# Altium PCB Layout.PcbDoc (part 1 of 4) (continued)
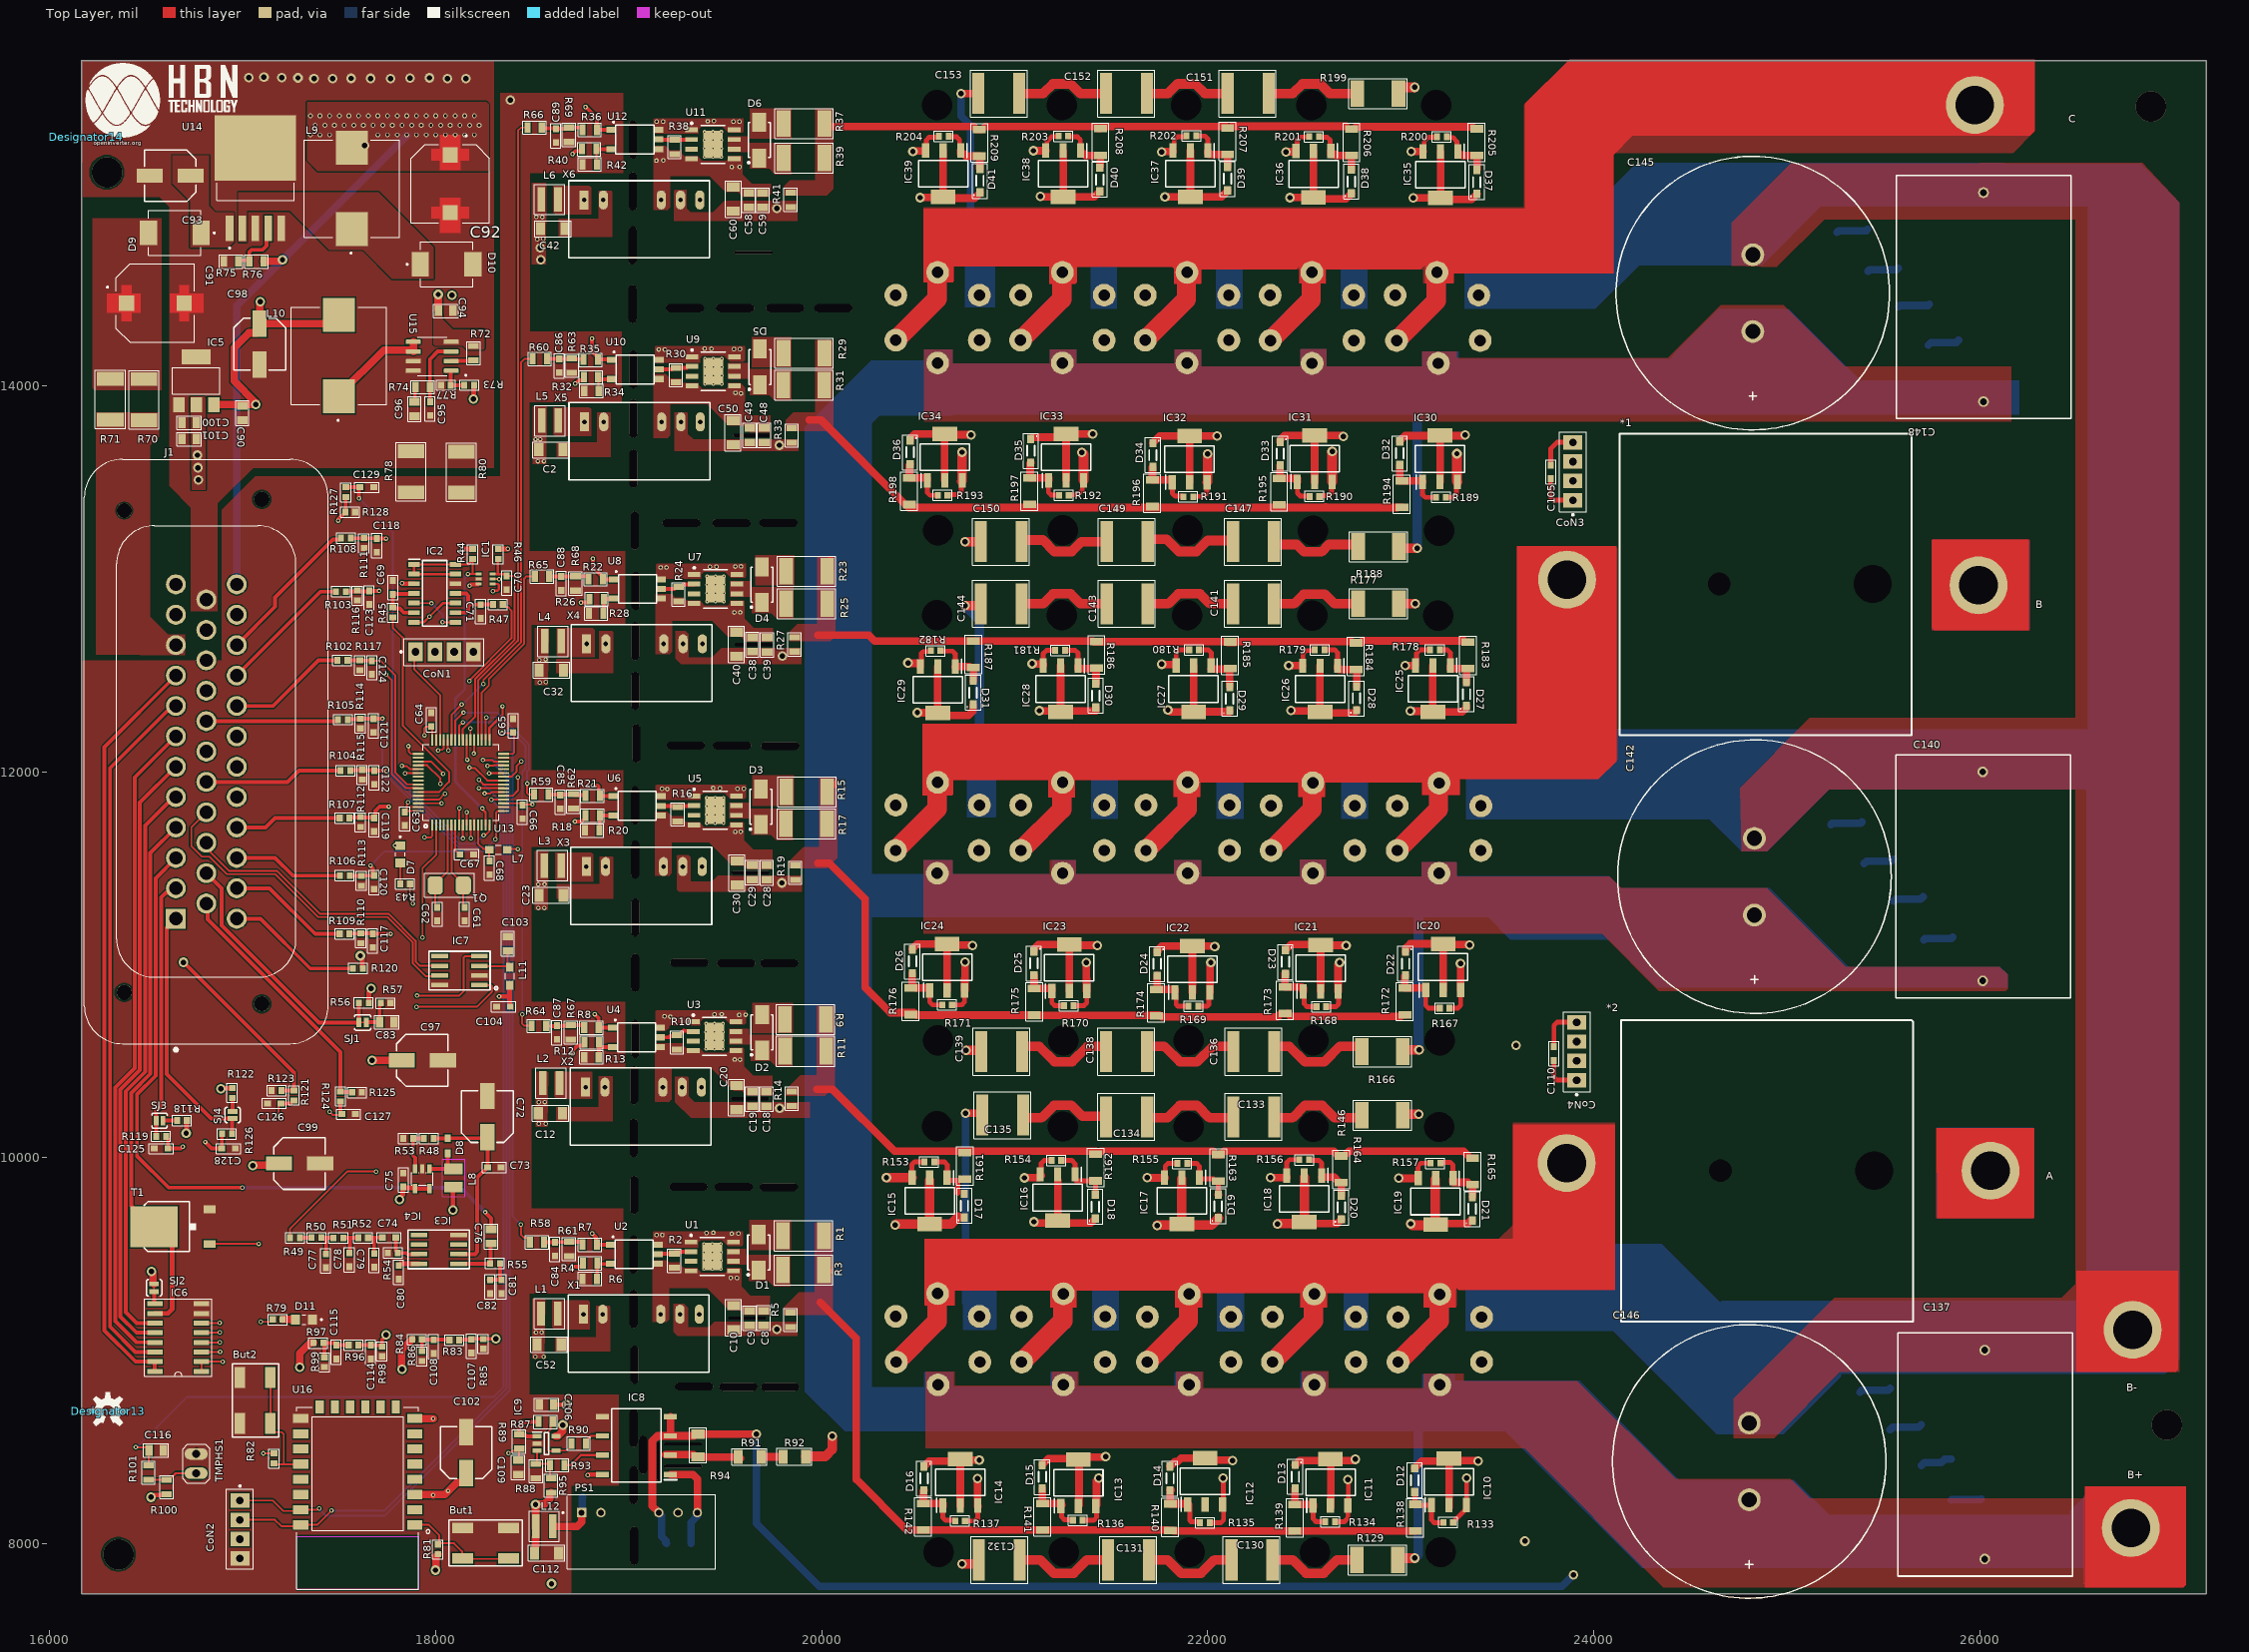
[diagram p0: Top Layer view]
## Components (designator, comment, footprint, x,y, rotation, side; value= is the part's Value field where it differs from the comment) (continued)
D27 "1n4148" SOD123 23342.28,12343.37 r90 top
D28 "1n4148" SOD123 22773.16,12321.98 r90 top
D29 "1n4148" SOD123 22115.56,12319.87 r90 top
D30 "1n4148" SOD123 21422.03,12336.22 r90 top
D31 "1n4148" SOD123 20786.3,12351.87 r90 top
D32 "1n4148" SOD123 22992,13710.07 r270 top
D33 "1n4148" SOD123 22372.73,13707.67 r270 top
D34 "1n4148" SOD123 21713.26,13700.36 r270 top
D35 "1n4148" SOD123 21080.84,13722.77 r270 top
D36 "1n4148" SOD123 20455.94,13713.95 r270 top
D37 "1n4148" SOD123 23396.19,14997.91 r90 top
D38 "1n4148" SOD123 22745.39,14999.3 r90 top
D39 "1n4148" SOD123 22104.51,15014.27 r90 top
D40 "1n4148" SOD123 21442.82,15009.86 r90 top
D41 "1n4148" SOD123 20821.23,15003.94 r90 top
Designator13 "Comment" OSHW-LOGO-M 16300.84,8688.61 r0 top
Designator14 "Comment" OI_LOGO 16187.01,15288.39 r0 top
IC1 "NC7SZ10P6X" SC70-6 18258.35,12999.58 r270 top
IC2 "LM2901AVQDRQ1" SOIC127P600X175-14N 17994.45,12924.85 r0 top
IC3 "TDA2822D" SO08 18015.76,9525.99 r90 top
IC4 "MIC2288YD5" SOT23-5L 17930.26,9891.99 r180 top
IC5 "REG1117" SOT223 16759.09,14026.08 r0 top
IC6 "ULN2003AD" SO16 16665.35,9068.9 r90 top
IC7 "SN65HVD230DR" SO08 18123.22,10969.96 r90 top
IC8 "SI8920BC-IP" SOP254P965X419-8N 19039.37,8509.34 r180 top
IC9 "OPA344NA_250G4" SOT95P280X145-5N 18574,8520.17 r0 top
IC10 "IRFL9110PBF" SOT230P700X180-4N 23249.8,8321.96 r90 top
IC11 "IRFL9110PBF" SOT230P700X180-4N 22635.24,8319.38 r90 top
IC12 "IRFL9110PBF" SOT230P700X180-4N 21985.75,8324.49 r90 top
IC13 "IRFL9110PBF" SOT230P700X180-4N 21329.2,8316.99 r90 top
IC14 "IRFL9110PBF" SOT230P700X180-4N 20717.52,8319.63 r90 top
IC15 "IRFL9110PBF" SOT230P700X180-4N 20559.06,9777.48 r270 top
IC16 "IRFL9110PBF" SOT230P700X180-4N 21221.54,9794.39 r270 top
IC17 "IRFL9110PBF" SOT230P700X180-4N 21866.31,9778.19 r270 top
IC18 "IRFL9110PBF" SOT230P700X180-4N 22499.76,9788.32 r270 top
IC19 "IRFL9110PBF" SOT230P700X180-4N 23180.16,9773.79 r270 top
IC20 "IRFL9110PBF" SOT230P700X180-4N 23219.29,10988.85 r90 top
IC21 "IRFL9110PBF" SOT230P700X180-4N 22584.77,10983.18 r90 top
IC22 "IRFL9110PBF" SOT230P700X180-4N 21920.33,10978.07 r90 top
IC23 "IRFL9110PBF" SOT230P700X180-4N 21282.43,10984.68 r90 top
IC24 "IRFL9110PBF" SOT230P700X180-4N 20649.37,10987.8 r90 top
IC25 "IRFL9110PBF" SOT230P700X180-4N 23166.19,12430.96 r270 top
IC26 "IRFL9110PBF" SOT230P700X180-4N 22581.48,12429.49 r270 top
IC27 "IRFL9110PBF" SOT230P700X180-4N 21926.21,12429.54 r270 top
IC28 "IRFL9110PBF" SOT230P700X180-4N 21237.56,12429.54 r270 top
IC29 "IRFL9110PBF" SOT230P700X180-4N 20600.73,12426.09 r270 top
IC30 "IRFL9110PBF" SOT230P700X180-4N 23203.15,13621.67 r90 top
IC31 "IRFL9110PBF" SOT230P700X180-4N 22553.8,13622.72 r90 top
IC32 "IRFL9110PBF" SOT230P700X180-4N 21905.59,13620.64 r90 top
IC33 "IRFL9110PBF" SOT230P700X180-4N 21265.69,13629.76 r90 top
IC34 "IRFL9110PBF" SOT230P700X180-4N 20636.81,13629.76 r90 top
IC35 "IRFL9110PBF" SOT230P700X180-4N 23205.71,15094.49 r270 top
IC36 "IRFL9110PBF" SOT230P700X180-4N 22547.56,15097.73 r270 top
IC37 "IRFL9110PBF" SOT230P700X180-4N 21909.59,15098.43 r270 top
IC38 "IRFL9110PBF" SOT230P700X180-4N 21250.68,15098.43 r270 top
IC39 "IRFL9110PBF" SOT230P700X180-4N 20628.94,15098.43 r270 top
J1 "Conn Power HDR 35 POS" TE_776230-2 16811.02,12105.32 r90 top
L1 "47uH" WE-TPC_282892 18588.58,9193.15 r90 top
L2 "47uH" WE-TPC_282892 18597.82,10387.78 r90 top
L3 "47uH" WE-TPC_282892 18605.99,11514.7 r90 top
L4 "47uH" WE-TPC_282892 18607.51,12676.91 r90 top
L5 "47uH" WE-TPC_282892 18592.05,13820.19 r90 top
L6 "47uH" WE-TPC_282892 18589.91,14966.23 r90 top
L7 "10UH" INDC2012X87N 18324.46,11596.87 r180 top
L8 "*" L2825P 18092.14,9895.57 r90 top value=10µH
L9 "220uH" IND_MDH12577C-101MA=P3 17564.96,15022.64 r90 top
L10 "220uH" IND_MDH12577C-101MA=P3 17497.95,14156.47 r90 top
L11 "10uH" INDC2012X87N 18382.86,10941.22 r90 top
L12 "47uH" WE-TPC_282892 18562.16,8090.99 r90 top
PS1 "R12P21503D" CONV_R12P21503D 19064.37,8063.36 r0 top
Q1 "Crystal 8MHz" 5032-2P 18142.93,11411.96 r180 top
Q2 "Sic Mosfet" 247 22985.57,8941.93 r0 bottom
Q3 "Sic Mosfet" 247 22334.73,8941.93 r0 bottom
Q4 "Sic Mosfet" 247 21686.68,8941.93 r0 bottom
Q5 "Sic Mosfet" 247 21035.22,8941.93 r0 bottom
Q6 "Sic Mosfet" 247 20385.87,8941.93 r0 bottom
Q7 "Sic Mosfet" 247 20816.69,9178.87 r180 bottom
Q8 "Sic Mosfet" 247 21468.29,9177.57 r180 bottom
Q9 "Sic Mosfet" 247 22119.75,9176.27 r180 bottom
Q10 "Sic Mosfet" 247 22767.8,9176.27 r180 bottom
Q11 "Sic Mosfet" 247 23418.64,9174.97 r180 bottom
Q12 "Sic Mosfet" 247 22981.56,11592.85 r0 bottom
Q13 "Sic Mosfet" 247 22327.8,11592.85 r0 bottom
Q14 "Sic Mosfet" 247 21679.75,11592.85 r0 bottom
Q15 "Sic Mosfet" 247 21031.21,11592.85 r0 bottom
Q16 "Sic Mosfet" 247 20381.85,11592.85 r0 bottom
Q17 "Sic Mosfet" 247 23414.63,11823.76 r180 bottom
Q18 "Sic Mosfet" 247 22760.87,11825.06 r180 bottom
Q19 "Sic Mosfet" 247 22112.82,11827.68 r180 bottom
Q20 "Sic Mosfet" 247 21464.28,11827.68 r180 bottom
Q21 "Sic Mosfet" 247 20816.69,11827.68 r180 bottom
Q22 "Sic Mosfet" 247 22978.02,14234.76 r0 bottom
Q23 "Sic Mosfet" 247 22323.79,14234.76 r0 bottom
Q24 "Sic Mosfet" 247 21675.73,14236.72 r0 bottom
Q25 "Sic Mosfet" 247 21030,14236.72 r0 bottom
Q26 "Sic Mosfet" 247 20383.6,14236.72 r0 bottom
Q27 "Sic Mosfet" 247 23403.67,14470 r180 bottom locked
Q28 "Sic Mosfet" 247 22755.89,14470 r180 bottom locked
Q29 "Sic Mosfet" 247 22108.8,14470 r180 bottom locked
Q30 "Sic Mosfet" 247 21463.27,14470 r180 bottom locked
Q31 "Sic Mosfet" 247 20816.67,14470 r180 bottom locked
R1 "10 1w" R-2512 19905.32,9596.46 r0 top
R2 "47k" R-0805 19235.44,9467.32 r90 top
R3 "10 1w" R-2512 19905.32,9419.68 r0 top
R4 "0" R-0805 18799.97,9453.71 r0 top
R5 "47k" R-0805 19838.62,9160.72 r90 top
R6 "0" R-0805 18798.3,9373.5 r0 top
R7 "0" R-0805 18798.3,9550.55 r0 top
R8 "0" R-0805 18806.49,10674.37 r0 top
R9 "10 1w" R-2512 19915.18,10717.64 r0 top
R10 "47k" R-0805 19250.09,10598.77 r90 top
R11 "10 1w" R-2512 19916.52,10553.14 r0 top
R12 "0" R-0805 18807.54,10598.77 r0 top
R13 "0" R-0805 18806.49,10521.64 r0 top
R14 "47k" R-0805 19844.94,10307.11 r90 top
R15 "10 1w" R-2512 19922.16,11896.37 r0 top
R16 "47k" R-0805 19253.53,11780.23 r90 top
R17 "10 1w" R-2512 19920.81,11730.6 r0 top
R18 "0" R-0805 18812.05,11773.68 r0 top
R19 "47k" R-0805 19862.55,11478.21 r90 top
R20 "0" R-0805 18810.98,11696.85 r0 top
R21 "0" R-0805 18812.05,11875.92 r0 top
R22 "0" R-0805 18828.07,12997.84 r0 top
R23 "10 1w" R-2512 19921.48,13038.99 r0 top
R24 "47k" R-0805 19258.19,12919.85 r90 top
R25 "10 1w" R-2512 19921.48,12870.91 r0 top
R26 "0" R-0805 18833.28,12895.25 r0 top
R27 "47k" R-0805 19859.02,12660.43 r90 top
R28 "0" R-0805 18831,12820.69 r0 top
R29 "10 1w" R-2512 19908.18,14168.8 r0 top
R30 "47k" R-0805 19244.67,14055.62 r90 top
R31 "10 1w" R-2512 19906.64,14003.83 r0 top
R32 "0" R-0805 18804.28,14045.94 r0 top
R33 "47k" R-0805 19844.63,13743.38 r90 top
R34 "0" R-0805 18806.56,13973.93 r0 top
R35 "0" R-0805 18803,14135.3 r0 top
R36 "0" R-0805 18797.24,15326.73 r0 top
R37 "10 1w" R-2512 19908.24,15359.6 r0 top
R38 "47k" R-0805 19236.73,15237.17 r90 top
R39 "10 1w" R-2512 19908.23,15181.58 r0 top
R40 "0" R-0805 18795.38,15226.73 r0 top
R41 "47k" R-0805 19838.98,14964.46 r90 top
R42 "0" R-0805 18797.24,15147.77 r0 top
R43 "510 R" R-0603R 17840.9,11419.83 r0 top
R44 "10KΩ" R-0603R 18190.84,13128.59 r90 top
R45 "10KΩ" R-0603R 17777.29,12826.14 r90 top
R46 "10KΩ" R-0603R 18324.34,13128.59 r90 top
R47 "10KΩ" R-0603R 18322.08,12867.87 r180 top
R48 "3K3Ω" R-0603R 17963.92,10100.62 r0 top
R49 "510Ω" R-0603R 17270.6,9586.5 r180 top
R50 "10KΩ" R-0603R 17382.12,9587.32 r180 top
R51 "3K3Ω" R-0603R 17495.48,9585.06 r0 top
R52 "3K3Ω" R-0603R 17623.67,9586.5 r0 top
R53 "510Ω" R-0603R 17857.3,10101.14 r180 top
R54 "10KΩ" R-0603R 17777.88,9507.09 r0 top
R55 "10Ω" R-0603R 18307.12,9452.8 r0 top
R56 "R-0603" R-0603R 17626.58,10802.68 r0 top
R57 "R-0603" R-0603R 17740.28,10802.69 r180 top
R58 "1KΩ" R-0805 18524.41,9562.8 r0 top
R59 "1KΩ" R-0805 18546.94,11883.06 r0 top
R60 "1KΩ" R-0805 18539.33,14139.77 r0 top
R61 "10KΩ" R-0805 18690.62,9527.36 r90 top
R62 "10KΩ" R-0805 18713.75,11846.55 r90 top
R63 "10KΩ" R-0805 18705.02,14104.98 r90 top
R64 "1KΩ" R-0805 18533.65,10684.01 r0 top
R65 "1KΩ" R-0805 18550.43,13012.8 r0 top
R66 "1KΩ" R-0805 18511.97,15338.48 r0 top
R67 "10KΩ" R-0805 18699.86,10649.77 r90 top
R68 "10KΩ" R-0805 18723.88,12976.29 r90 top
R69 "10KΩ" R-0805 18690.36,15301.05 r90 top
R70 "10 1w" R-2512 16487.3,13928.17 r270 top
R71 "10 1w" R-2512 16313.76,13930.37 r270 top
R72 "100KΩ" R-0805 18195.7,14170.01 r90 top
R73 "6.8KΩ" R-0603R 18173.72,14003.72 r0 top
R74 "10KΩ" R-0805 17932.39,13994.02 r0 top
R75 "RES SMD 1K OHM 1% 1/8W 0805" R-0805 16939.46,14644.7 r0 top
R76 "11KΩ" R-0805 17071.3,14644.7 r0 top
R77 "1.3KΩ" R-0603R 18052.26,14003.72 r0 top
R78 "0Ω" R-2512 17871.24,13555.18 r90 top
R79 "510Ω" R-0603R 17180.96,9162.88 r180 top
R80 "0Ω" R-2512 18133.7,13552.99 r90 top
R81 "10KΩ" R-0603R 18011.53,7971.24 r90 top
R82 "10KΩ" R-0603R 17161.89,8442.64 r270 top
R83 "3K3Ω" R-0603R 18096.23,9055.92 r180 top
R84 "1K2Ω" R-0603R 17903.06,9059.82 r180 top
R85 "4K7Ω" R-0603R 18246.66,9036.42 r90 top
R86 "3K3Ω" R-0603R 17928.65,8972.48 r90 top
R87 "10KΩ" R-0805 18568.9,8632.25 r180 top
R88 "1K2Ω" R-0805 18518.88,8377.14 r270 top
R89 "10KΩ" R-0805 18432.28,8531 r270 top
R90 "10KΩ" R-0805 18739.93,8520.17 r0 top
R91 "680KΩ" R-1206 19625.94,8450.29 r0 top
R92 "680KΩ" R-1206 19858.21,8451.27 r0 top
R93 "10KΩ" R-0805 18629.12,8408.1 r0 top
R94 "500Ω" R-1206 19359.16,8509.34 r270 top
R95 "10KΩ" R-0805 18597.55,8301.77 r90 top
R96 "3K3Ω" R-0603R 17574.06,9029.96 r180 top
R97 "1K2Ω" R-0603R 17391.75,9041.3 r180 top
R98 "4K7Ω" R-0603R 17721.66,8997.44 r90 top
R99 "3K3Ω" R-0603R 17423.86,8940.99 r90 top
R100 "1K2Ω" R-0805 16605.26,8293.63 r90 top
R101 "10KΩ" R-0805 16511.47,8369.83 r90 top
R102 "3K3Ω" R-0603R 17515.88,12577.76 r0 top
R103 "3K3Ω" R-0603R 17509.12,12933.77 r0 top
R104 "3K3Ω" R-0603R 17531.82,12006.21 r0 top
R105 "4K7Ω" R-0603R 17519.01,12271.11 r0 top
R106 "3K3Ω" R-0603R 17528.98,11462.24 r0 top
R107 "3K3Ω" R-0603R 17527.39,11761.13 r0 top
R108 "3K3Ω" R-0603R 17534.71,13211.09 r0 top
R109 "3K3Ω" R-0603R 17527.39,11160.32 r0 top
R110 "1K2Ω" R-0603R 17612.48,11138.36 r90 top
R111 "1K2Ω" R-0603R 17628.45,13185.5 r90 top
R112 "1K2Ω" R-0603R 17610.58,11739.47 r90 top
R113 "1K2Ω" R-0603R 17615.26,11435.66 r90 top
R114 "1K2Ω" R-0603R 17608.74,12250.44 r90 top
R115 "1K2Ω" R-0603R 17618.76,11984.56 r90 top
R116 "1K2Ω" R-0603R 17594,12913.86 r90 top
R117 "1K2Ω" R-0603R 17606.56,12552.17 r90 top
R118 "510Ω" R-0603R 16685.17,10192.95 r0 top
R119 "10KΩ" R-0603R 16576.71,10111.76 r0 top
R120 "510Ω" R-0603R 17596.46,10981.3 r0 top
R121 "10KΩ" R-0603R 17264.78,10323.54 r270 top
R122 "510Ω" R-0603R 16945.87,10336.62 r90 top
R123 "10KΩ" R-0603R 17175.05,10349.13 r0 top
R124 "10KΩ" R-0603R 17506.54,10318.08 r270 top
R125 "10KR" R-0603R 17592.17,10339.64 r180 top
R126 "10KΩ" R-0603R 16918.31,10125.08 r180 top
R127 "10KΩ" R-0603R 17534.71,13448.88 r90 top
R128 "10KΩ" R-0603R 17556.62,13346.78 r180 top
R129 "10 1w" R-2512 22878.94,7916.82 r0 top
R130 "100k 1w" R-2512 26006.89,8125.98 r90 bottom
R131 "100k 1w" R-2512 25859.25,11037.4 r90 bottom
R132 "100k 1w" R-2512 25879.92,14122.05 r90 bottom
R133 "R-0603" R-0603R 23245.41,8110.47 r0 top
R134 "R-0603" R-0603R 22634.42,8114.55 r0 top
R135 "R-0603" R-0603R 21984.91,8109.22 r0 top
R136 "R-0603" R-0603R 21326.43,8122.14 r0 top
R137 "R-0603" R-0603R 20716.76,8118.13 r0 top
R138 "11Ω" R-1206W 23075.79,8136.28 r90 top
R139 "11Ω" R-1206W 22450.84,8135.86 r90 top
R140 "11Ω" R-1206W 21805.65,8138.96 r90 top
R141 "11Ω" R-1206W 21143.63,8139.92 r90 top
R142 "11Ω" R-1206W 20526.28,8140.14 r90 top
R143 "100k 1w" R-2512 25852.82,8333.66 r90 bottom
R144 "100k 1w" R-2512 25705.71,11246.06 r90 bottom
R145 "100k 1w" R-2512 25733.27,14316.93 r90 bottom
R146 "10 1w" R-2512 22903.72,10220.73 r0 top
R147 "100k 1w" R-2512 25695.87,8511.81 r90 bottom
R148 "100k 1w" R-2512 25552.17,11440.94 r90 bottom
R149 "100k 1w" R-2512 25580.71,14516.73 r90 bottom
R150 "100k 1w" R-2512 25535.43,8698.82 r90 bottom
R151 "100k 1w" R-2512 25391.73,11632.87 r90 bottom
R152 "100k 1w" R-2512 25421.26,14700.79 r90 bottom
R153 "R-0603" R-0603R 20557.09,9979.33 r180 top
R154 "R-0603" R-0603R 21215.51,9987.2 r180 top
R155 "R-0603" R-0603R 21867.6,9971.91 r180 top
R156 "R-0603" R-0603R 22500,9990.33 r180 top
R157 "R-0603" R-0603R 23178.83,9972.61 r180 top
R158 "100k 1w" R-2512 25377.95,8892.72 r90 bottom
R159 "100k 1w" R-2512 25230.31,11850.39 r90 bottom
R160 "100k 1w" R-2512 25259.84,14902.56 r90 bottom
R161 "11Ω" R-1206W 20740.86,9958.55 r270 top
R162 "11Ω" R-1206W 21418.27,9949.8 r270 top
R163 "11Ω" R-1206W 22055.56,9949.25 r270 top
R164 "11Ω" R-1206W 22691.38,9941.08 r270 top
R165 "11Ω" R-1206W 23372.2,9930.37 r270 top
R166 "10 1w" R-2512 22903.72,10550.43 r0 top
R167 "R-0603" R-0603R 23226.8,10774.8 r0 top
R168 "R-0603" R-0603R 22588.07,10782.52 r0 top
R169 "R-0603" R-0603R 21925.49,10786 r0 top
R170 "R-0603" R-0603R 21279.74,10788.94 r0 top
R171 "R-0603" R-0603R 20649.54,10792.42 r0 top
R172 "11Ω" R-1206W 23021.28,10810.41 r90 top
R173 "11Ω" R-1206W 22400.15,10816.58 r90 top
R174 "11Ω" R-1206W 21733.16,10803.9 r90 top
R175 "11Ω" R-1206W 21101.11,10808.53 r90 top
R176 "11Ω" R-1206W 20461.54,10810.96 r90 top
R177 "10 1w" R-2512 22884.63,12870.91 r0 top
R178 "R-0603" R-0603R 23176.86,12632.63 r180 top
R179 "R-0603" R-0603R 22579.81,12632.51 r180 top
R180 "R-0603" R-0603R 21928.98,12631.63 r180 top
R181 "R-0603" R-0603R 21235.48,12629.07 r180 top
R182 "R-0603" R-0603R 20589.66,12628.13 r180 top
R183 "11Ω" R-1206W 23348.45,12603.92 r270 top
R184 "11Ω" R-1206W 22767.24,12599.77 r270 top
R185 "11Ω" R-1206W 22115.48,12604.84 r270 top
R186 "11Ω" R-1206W 21423.08,12606.76 r270 top
R187 "11Ω" R-1206W 20785.43,12609.63 r270 top
R188 "10 1w" R-2512 22884.63,13167.27 r0 top
R189 "R-0603" R-0603R 23208.36,13421.93 r0 top
R190 "R-0603" R-0603R 22552.7,13427.06 r0 top
R191 "R-0603" R-0603R 21898.62,13424.74 r0 top
R192 "R-0603" R-0603R 21254.61,13432.88 r0 top
R193 "R-0603" R-0603R 20625.85,13432.35 r0 top
R194 "11Ω" R-1206W 23006.45,13438.87 r90 top
R195 "11Ω" R-1206W 22370.51,13452.07 r90 top
R196 "11Ω" R-1206W 21713.14,13443.38 r90 top
R197 "11Ω" R-1206W 21076.22,13454.07 r90 top
R198 "11Ω" R-1206W 20453.75,13453.59 r90 top
R199 "10 1w" R-2512 22881.77,15514.76 r0 top
R200 "R-0603" R-0603R 23212.32,15290.61 r180 top
R201 "R-0603" R-0603R 22550.52,15291.61 r180 top
R202 "R-0603" R-0603R 21915.65,15295.96 r180 top
R203 "R-0603" R-0603R 21251.61,15294.15 r180 top
R204 "R-0603" R-0603R 20631.7,15293.79 r180 top
R205 "11Ω" R-1206W 23393.29,15263.2 r270 top
R206 "11Ω" R-1206W 22744.4,15261.81 r270 top
R207 "11Ω" R-1206W 22102.5,15267.72 r270 top
R208 "11Ω" R-1206W 21443.76,15263.51 r270 top
R209 "11Ω" R-1206W 20816.67,15258.79 r270 top
SJ1 "SOLDERJUMPERTRACE" SJ_2S-TRACE 17620.99,10701.21 r180 top
SJ2 "SOLDERJUMPERTRACE" SJ_2S-TRACE 16540.35,9326.66 r90 top
SJ3 "SOLDERJUMPERNO" SJ_2S-NO 16568.84,10192.95 r0 top
SJ4 "SOLDERJUMPERNO" SJ_2S-NO 16947.07,10221.73 r90 top
T1 "AP9T18GH-HF" D-PAK_TO252AA 16638.78,9643.7 r90 top
TMPHS1 "PINHD-1X2" 1X02 16758.78,8415.74 r90 top
U1 "IXDN614" "FAN3122 Soic8" 19433.07,9488.98 r0 top
U2 "TLP152" TLP152 19028.54,9490.55 r0 top
U3 "IXDN614" "FAN3122 Soic8" 19444.28,10629.91 r0 top
U4 "TLP152" TLP152 19039.75,10614.16 r0 top
U5 "IXDN614" "FAN3122 Soic8" 19447.72,11799.91 r0 top
U6 "TLP152" TLP152 19043.19,11813.68 r0 top
U7 "IXDN614" "FAN3122 Soic8" 19449.23,12947.84 r0 top
U8 "TLP152" TLP152 19044.71,12937.84 r0 top
U9 "IXDN614" "FAN3122 Soic8" 19438.13,14075.3 r0 top
U10 "TLP152" TLP152 19033.61,14075.3 r0 top
U11 "IXDN614" "FAN3122 Soic8" 19436,15251.34 r0 top
U12 "TLP152" TLP152 19031.47,15266.73 r0 top
U13 "STM32F103RBT6" QFP50P1200X1200X160-64N 18130.38,11944.94 r90 top
U14 "LM2576S-12/NOPB" VREG_TPS79625KTTR 17065.35,15233.27 r90 top
U15 "SR2803" SOP127P600X175-8N 17981.4,14153.04 r180 top
U16 "ESP8266-12E/ESP-12E" XCVR_ESP8266-12E/ESP-12E 17595.71,8373.65 r180 top
X1 "R24P21503D" SIP7 18765.16,9189.96 r90 top
X2 "R24P21503D" SIP7 18776.37,10366.13 r90 top
X3 "R24P21503D" SIP7 18779.8,11508.8 r90 top
X4 "R24P21503D" SIP7 18781.32,12663.23 r90 top
X5 "R24P21503D" SIP7 18770.22,13813.12 r90 top
X6 "R24P21503D" SIP7 18768.07,14963.05 r90 top

## Footprints (in the part's own frame and the unit in brackets; to place one, negate y for a bottom-side part, rotate by r counter-clockwise, add the part's x,y. Pads: shape width x height; smd on the part's side, far side on the other; paste and mask are expansions set on the pad)
1X02 [mil] "1X02"
  oval 60x120 / inner round 0 / far side oval 60x120 hole 40: 1(-50,0) 2(50,0)
  silkscreen extent -100,-71 100,70, body extent -80,-60 80,60, height 150
4pinCon [mm]
  rect 2.5x1.9 hole 1: 1(0,-3.81) 2(0,-1.27) 3(0,1.27) 4(0,3.81)
  silkscreen extent -1.75,-5.83 1.78,5.21, body extent -1.18,-4.95 1.4,5.21, height 4.94
247 [mm]
  round 3 hole 1.5: 1(11,0) 2(5.5,3) 3(0,0)
  round 1.524 hole 4: 4(5.588,25.019)
  silkscreen extent -2.54,-1.78 13.46,30.35, body extent -2.29,-0.31 13.31,30.29, height 5.01
5032-2P [mm]
  rrect50% 2x2.4 smd: 1(0,0) 2(3.7,0)
  silkscreen extent -1.43,-1.6 5.12,1.58, body extent -0.7,-1.57 4.3,1.62, height 1.3
ButTON [mm]
  rect 2.75x1.4 smd: 1(0,0) 1(6.05,0) 2(0,4) 2(6.05,4)
  silkscreen extent -1.78,-1.02 7.87,5.08, body extent -1.46,-0.98 7.56,5.05, height 9
C-0603W [mm] "capacitor 0603 wave soldering"
  rect 0.9x0.8 smd: 1(-0.9,0) 2(0.9,0)
  silkscreen extent -1.6,-0.65 1.6,0.67, body extent -0.8,-0.4 0.8,0.4, height 0.3
C-0805 [mm]
  rect 1x1.4 smd: 1(-0.95,0) 2(0.95,0)
  silkscreen extent -1.63,-0.87 1.63,0.87, body extent -1,-0.62 1,0.63, height 1.01
C-1206 [mm]
  rect 1.2x1.7 smd: 1(-1.6,0) 2(1.6,0)
  silkscreen extent -2.4,-1.05 2.37,1.05, body extent -1.6,-0.8 1.6,0.8, height 1
C-2220R [mm] "capacitor 2220 reflow soldering"
  rect 1.6x5.4 smd: 1(-2.7,0) 2(2.7,0)
  silkscreen extent -3.8,-3.1 3.7,3.1, body extent -2.85,-2.5 2.85,2.5, height 2.24
"CAP.POL 22UF 500VDC - duplicate" [mm]
  round 1.4 hole 0.9: 1(0,0) 2(27.5,0)
  silkscreen extent -2.25,-11.56 29.75,11.43, body extent -1.22,-6.45 28.77,6.55, height 23.01
CAP_EEETC1C331V#1 [mm]
  rect 2x2 smd paste-2 mask+0: 1(-3.8,0) 2(3.8,0)
  Top Layer region: 4.45,1.25 6.35,1.25 6.35,-1.25 4.45,-1.25 4.45,-2.35 3.15,-2.35 3.15,-1.25 1.95,-1.25 1.95,1.25 3.15,1.25 3.15,2.35 4.45,2.35
  Top Layer region: -3.15,1.25 -1.95,1.25 -1.95,-1.25 -3.15,-1.25 -3.15,-2.35 -4.45,-2.35 -4.45,-1.25 -6.35,-1.25 -6.35,1.25 -4.45,1.25 -4.45,2.35 -3.15,2.35
  silkscreen extent -6.4,-5.15 5.15,5.15, body extent -5.85,-5.15 5.85,5.15, height 10.52
CAP_EEETC1C331V#2 [mm]
  rect 2x2 smd mask+0.508: 1(-3.8,0)
  rect 2x2 smd paste-2 mask+0.635: 2(3.8,0)
  Top Layer region: 4.55,1.35 6.45,1.35 6.45,-1.35 4.55,-1.35 4.55,-2.45 3.05,-2.45 3.05,-1.35 1.85,-1.35 1.85,1.35 3.05,1.35 3.05,2.45 4.55,2.45
  Top Layer region: -3.05,1.35 -1.85,1.35 -1.85,-1.35 -3.05,-1.35 -3.05,-2.45 -4.55,-2.45 -4.55,-1.35 -6.45,-1.35 -6.45,1.35 -4.55,1.35 -4.55,2.45 -3.05,2.45
  Top Layer region: -3.15,1.25 -1.95,1.25 -1.95,-1.25 -3.15,-1.25 -3.15,-2.35 -4.45,-2.35 -4.45,-1.25 -6.35,-1.25 -6.35,1.25 -4.45,1.25 -4.45,2.35 -3.15,2.35
  Top Layer region: 4.45,1.25 6.35,1.25 6.35,-1.25 4.45,-1.25 4.45,-2.35 3.15,-2.35 3.15,-1.25 1.95,-1.25 1.95,1.25 3.15,1.25 3.15,2.35 4.45,2.35
  silkscreen extent -6.4,-5.15 5.15,5.15, body extent -5.85,-5.15 5.85,5.15, height 10.52
CapSmdElc [mm] "Aluminum Electrolytic Capacitor, Body 6.70x6.70x6.30mm, IPC Low Density"
  rect 3.45x1.85 smd: 1(-2.7,0) 2(2.7,0)
  silkscreen extent -3.4,-3.4 3.4,3.4, body extent -3.45,-3.27 3.55,3.32, height 6.92
CONV_R12P21503D [mm]
  rect 1.23x1.23 hole 0.82: 1(-7.85,2.5)
  round 1.23 hole 0.82: 2(-5.31,2.5) 5(2.31,2.5) 6(4.85,2.5) 7(7.39,2.5)
  silkscreen extent -10.4,-4.9 9.75,4.9, body extent -9.75,-4.9 9.75,4.9, height 12
currenttransducer [mm]
  round 1.524 hole 3: 5(7.225,12.575)
  round 1.524 hole 5: 6(27.425,12.575)
  silkscreen extent -5.87,-7.32 32.55,32.35, body extent -5.87,-7.33 32.43,32.67, height 30.01
D-PAK_TO252AA [mm] "D-PAK_TO252AA"
  rect 1x1.6 smd: 1(-2.28,-4.8) 3(2.28,-4.8)
  rect 5.4x6.2 smd: 4(0,2.5)
  silkscreen extent -3.28,-3.02 3.28,3.82, body extent -3.35,-4.82 3.15,3.88, height 2.3
DIOM7959X265N [mm]
  rect 2.25x3.18 smd: A(3.455,0) C(-3.455,0)
  silkscreen extent -5.3,-2.95 3.44,2.95, body extent -4.1,-2.95 3.84,2.95, height 2.62
DO-214AC [mm]
  rect 2.5x1.8 smd: a(2.35,0) k(-2.35,0)
  silkscreen extent -3.07,-1.45 2.3,1.51, body extent -2.77,-1.42 2.72,1.37, height 2.3
"FAN3122 Soic8" [mm] "SOIC, 8-Leads, Body 4.95x3.95mm, Pitch 1.27mm, Thermal Pad 4.10x3.10mm, IPC Medium Density"
  rect 1.65x0.65 smd: 1(-2.8,1.905) 2(-2.8,0.635) 3(-2.8,-0.635) 4(-2.8,-1.905) 5(2.8,-1.905) 6(2.8,-0.635) 7(2.8,0.635) 8(2.8,1.905)
  rect 2.6x3.6 smd: 9(0,0)
  silkscreen extent -2.92,-2.5 1.6,2.9, body extent -3.12,-2.55 3.08,2.45, height 1.66
IND_MDH12577C-101MA=P3 [mm]
  rect 4.5x4.2 smd: 1(-5.35,0) 2(5.35,0)
  silkscreen extent -8.6,-6.25 6.4,6.25, body extent -6.36,-6.28 6.44,6.22, height 8
INDC2012X87N [mm]
  rect 1.15x1 smd: 1(-1.175,0) 2(1.175,0)
  silkscreen extent -0.4,-0.6 0.4,0.6, body extent -1,-0.62 1,0.63, height 1.03
"Koshin 63v 4700 cap" [mm]
  round 3 hole 2: 1(0,0) 2(10.1,0)
  silkscreen extent -12.95,-18 23.05,18, body extent -12.57,-17.42 22.42,17.57, height 50
L2825P [mil] "L2825P"
  rect 55.12x94.49 smd: 1(-47.24,0) 2(47.24,0)
  Top Layer keep-out lines w2: -97.36,58.39 97.36,58.39 97.36,-58.39 -97.36,-58.39 -97.36,58.39
LED_7012X1 [mm]
  rect 1.15x1.3 smd: A(1.125,0) C(-1.125,0)
  silkscreen extent -2.4,-0.63 0.23,0.63, body extent -1,-0.62 1,0.62, height 0.73
OI_LOGO [mil] "OI_LOGO"
  silkscreen extent -1,-1 383,383
OSHW-LOGO-M [mil] "OSHW-LOGO-M"
  silkscreen extent -98,-78 98,98
QFP50P1200X1200X160-64N [mil]
  rect 58x11 smd: 1(-221,148) 2(-221,128) 3(-221,108) 4(-221,89) 5(-221,69) 6(-221,49) 7(-221,30) 8(-221,10) 9(-221,-10) 10(-221,-30) 11(-221,-49) 12(-221,-69) 13(-221,-89) 14(-221,-108) 15(-221,-128) 16(-221,-148) 33(221,-148) 34(221,-128) 35(221,-108) 36(221,-89) 37(221,-69) 38(221,-49) 39(221,-30) 40(221,-10) 41(221,10) 42(221,30) 43(221,49) 44(221,69) 45(221,89) 46(221,108) 47(221,128) 48(221,148)
  rect 11x58 smd: 17(-148,-221) 18(-128,-221) 19(-108,-221) 20(-89,-221) 21(-69,-221) 22(-49,-221) 23(-30,-221) 24(-10,-221) 25(10,-221) 26(30,-221) 27(49,-221) 28(69,-221) 29(89,-221) 30(108,-221) 31(128,-221) 32(148,-221) 49(148,221) 50(128,221) 51(108,221) 52(89,221) 53(69,221) 54(49,221) 55(30,221) 56(10,221) 57(-10,221) 58(-30,221) 59(-49,221) 60(-69,221) 61(-89,221) 62(-108,221) 63(-128,221) 64(-148,221)
  silkscreen extent -197,-197 197,197, body extent -236,-236 236,236, height 64
R-0603R [mm] "resistor 0603 reflow soldering"
  rect 0.8x0.9 smd: 1(-0.65,0) 2(0.65,0)
  silkscreen extent -1.25,-0.67 1.25,0.7, body extent -0.8,-0.4 0.8,0.4, height 0.45
R-0805 [mm]
  rect 0.8x1.4 smd: 1(-0.95,0) 2(0.95,0)
  silkscreen extent -1.53,-0.87 1.53,0.87, body extent -1,-0.62 1,0.62, height 0.56
R-1206 [mm]
  rect 1.2x1.8 smd: 1(-1.5,0) 2(1.5,0)
  silkscreen extent -2.32,-1.1 2.27,1.12, body extent -1.6,-0.78 1.6,0.83, height 0.56
R-1206W [mm] "resistor 1206 wave soldering"
  rect 1x1.7 smd: 1(-1.75,0) 2(1.75,0)
  silkscreen extent -2.52,-1.1 2.52,1.12, body extent -1.55,-0.77 1.55,0.78, height 0.55
R-2512 [mm]
  rect 1.8x3.5 smd: 1(-2.7,0) 2(2.7,0)
  silkscreen extent -3.83,-1.97 3.85,1.97, body extent -3.21,-1.57 3.09,1.58, height 0.59
SC70-6 [mm] "SC70-6"
  rect 0.4x0.75 smd paste+0: 1(-0.65,-0.925) 2(0,-0.925) 3(0.65,-0.925) 4(0.65,0.925) 5(0,0.925) 6(-0.65,0.925)
  body extent -1.03,-1.1 0.97,1, height 1.1
SIP7 [mm]
  rect 2.5x1.2 hole 0.6: 1(0,0)
  oval 2.5x1.2 hole 0.6: 2(0,-2.54) 5(0,-10.16) 6(0,-12.7) 7(0,-15.24)
  silkscreen extent -7.62,-16.51 2.54,2.03, body extent -7.24,-17.24 2.58,2.26, height 11.66
SJ_2S-NO [mil] "SJ_2S-NO"
  rect 25x50 smd paste+0: 1(-17.72,0) 2(17.72,0)
  silkscreen extent -40,-39 40,39
SJ_2S-TRACE [mil] "SJ_2S-TRACE"
  rect 25x50 smd paste+0: 1(-20,0) 2(20,0)
  Top Layer lines w8: 15,0 -15,0
  silkscreen extent -43,-40 43,40
SO08 [mil] "SO08"
  rect 23.62x86.61 smd: 1(-75,-102.36) 2(-25,-102.36) 3(25,-102.36) 4(75,-102.36) 5(75,102.36) 6(25,102.36) 7(-25,102.36) 8(-75,102.36)
  silkscreen extent -100,-158 100,158, body extent -96,-119 100,123, height 79
SO16 [mil] "SO16"
  rect 26x80 smd: 1(-175,-121) 2(-125,-121) 3(-75,-121) 4(-25,-121) 5(25,-121) 6(75,-121) 7(125,-121) 8(175,-121) 9(175,121) 10(125,121) 11(75,121) 12(25,121) 13(-25,121) 14(-75,121) 15(-125,121) 16(-175,121)
  silkscreen extent -200,-173 200,174, body extent -200,-122 196,120, height 79
SOD123 [mm]
  rect 1.1x0.95 smd: a(3.063,0.05) k(-0.062,0.05)
  silkscreen extent -0.8,-0.95 3.8,1.05, body extent -0.38,-0.78 3.32,0.83, height 1.28
SOD-323F [mm] "SOD-323F"
  rect 1x0.8 smd: A(-1,0) C(1,0)
SOIC127P600X175-14N [mm]
  rect 1.525x0.65 smd: 1(-2.712,3.81) 2(-2.712,2.54) 3(-2.712,1.27) 4(-2.712,0) 5(-2.712,-1.27) 6(-2.712,-2.54) 7(-2.712,-3.81) 8(2.712,-3.81) 9(2.712,-2.54) 10(2.712,-1.27) 11(2.712,0) 12(2.712,1.27) 13(2.712,2.54) 14(2.712,3.81)
  silkscreen extent -3.47,-4.33 1.6,4.48, body extent -3.01,-4.32 3.01,4.34, height 1.75
SOP127P600X175-8N [mm]
  rrect25% 1.95x0.59 smd: 1(-2.48,1.905) 2(-2.48,0.635) 3(-2.48,-0.635) 4(-2.48,-1.905) 5(2.48,-1.905) 6(2.48,-0.635) 7(2.48,0.635) 8(2.48,1.905)
  silkscreen extent -4.53,-2.52 1.95,2.59, body extent -3,-2.42 3,2.42, height 2.1
SOP254P965X419-8N [mm]
  rect 1.7x0.7 smd: 1(-4.475,3.81) 2(-4.475,1.27) 3(-4.475,-1.27) 4(-4.475,-3.81) 5(4.475,-3.81) 6(4.475,-1.27) 7(4.475,1.27) 8(4.475,3.81)
  silkscreen extent -5.33,-4.82 3.27,4.82, body extent -4.82,-4.82 4.82,4.82, height 4.19
SOT23-5L [mil] "SOT23-5L"
  rect 21.65x47.24 smd: 1(-37.4,-51.18) 2(0,-51.18) 3(37.4,-51.18) 4(37.4,51.18) 5(-37.4,51.18)
  silkscreen extent -56,-32 56,32, body extent -59,-66 59,60, height 36
SOT95P280X145-5N [mm]
  rect 1.2x0.6 smd: 1(-1.25,0.95) 2(-1.25,0) 3(-1.25,-0.95) 4(1.25,-0.95) 5(1.25,0.95)
  silkscreen extent -1.85,-1.45 0.3,1.5, body extent -1.4,-1.45 1.4,1.45, height 1.2
SOT223 [mil] "SOT223"
  rect 59x79 smd: 1(-89,-124) 2(1,-124) 3(91,-124)
  rect 150x79 smd: 4(0,124)
  silkscreen extent -123,-68 123,68, body extent -123,-143 133,134, height 63
SOT230P700X180-4N [mm]
  rect 1.9x0.95 smd: 1(-3.05,2.3) 2(-3.05,0) 3(-3.05,-2.3)
  rect 1.9x3.25 smd: 4(3.05,0)
  silkscreen extent -4,-3.25 1.75,3.25, body extent -3.5,-3.25 3.5,3.25, height 1.8
TE_776230-2 [mm]
  rect 2.625x2.625 hole 1.75: 1(-22,4)
  round 2.625 hole 1.75: 2(-18,4) 3(-14,4) 4(-10,4) 5(-6,4) 6(-2,4) 7(2,4) 8(6,4) 9(10,4) 10(14,4) 11(18,4) 12(22,4) 13(-20,0) 14(-16,0) 15(-12,0) 16(-8,0) 17(-4,0) 18(0,0) 19(4,0) 20(8,0) 21(12,0) 22(16,0) 23(20,0) 24(-22,-4) 25(-18,-4) 26(-14,-4) 27(-10,-4) 28(-6,-4) 29(-2,-4) 30(2,-4) 31(6,-4) 32(10,-4) 33(14,-4) 34(18,-4) 35(22,-4)
  round 2 hole 2 unplated: ""(-33.2,-7.3) ""(-31.7,10.8) ""(31.7,10.8) ""(33.2,-7.3)
  silkscreen extent -39.45,-16.05 38.45,16.05, body extent -38.43,-15.96 38.47,16.14, height 30.48
TLP152 [mm] "SOTFL, 5-Leads, Body 3.75x7.20mm, Pitch 1.27mm, IPC Medium Density"
  rect 1.2x0.8 smd: 1(-3.15,1.524) 2(-3.15,-1.016) 3(3.15,-1.016) 4(3.15,0.254) 5(3.15,1.524)
  silkscreen extent -2.87,-1.65 2.5,2.61, body extent -3.39,-1.65 3.38,2.15, height 2.11
VREG_TPS79625KTTR [mm]
  rect 3.4x1 smd paste-3 mask+0: 1(-10.6,3.4) 2(-10.6,1.7) 3(-10.6,0) 4(-10.6,-1.7) 5(-10.6,-3.4)
  rect 8.6x10.7 smd paste-6 mask+0: 6(0,0)
  silkscreen extent -13.3,-5.08 -4.62,5.08, body extent -11.52,-5.1 2.83,5.06, height 4.78
WE-TPC_282892 [mm]
  rect 3.2x1 smd: 1(0,1.1) 2(0,-1.1)
  silkscreen extent -2,-2 2,2, body extent -1.58,-1.5 1.41,1.5, height 3
XCVR_ESP8266-12E/ESP-12E [mm]
  rect 2x1.2 smd: 1(-7.5,7) 2(-7.5,5) 3(-7.5,3) 4(-7.5,1) 5(-7.5,-1) 6(-7.5,-3) 7(-7.5,-5) 8(-7.5,-7) 15(7.5,-7) 16(7.5,-5) 17(7.5,-3) 18(7.5,-1) 19(7.5,1) 20(7.5,3) 21(7.5,5) 22(7.5,7)
  rect 1.1x1.7 smd: 9(-5,-8.5) 10(-3,-8.5) 11(-1,-8.5) 12(1,-8.5) 13(3,-8.5) 14(5,-8.5)
  Keep-Out Layer region: 8,8.51 -8.009,8.51 -8.009,15.5 8,15.5
  Keep-Out Layer region: 8,8.51 -8.009,8.51 -8.009,15.5 8,15.5
  silkscreen extent -9.5,-8.5 8,15.5, body extent -7.95,-8.55 8.05,15.45, height 3.01